# Altium PCB BMS029B.PcbDoc (part 1 of 4) (continued)
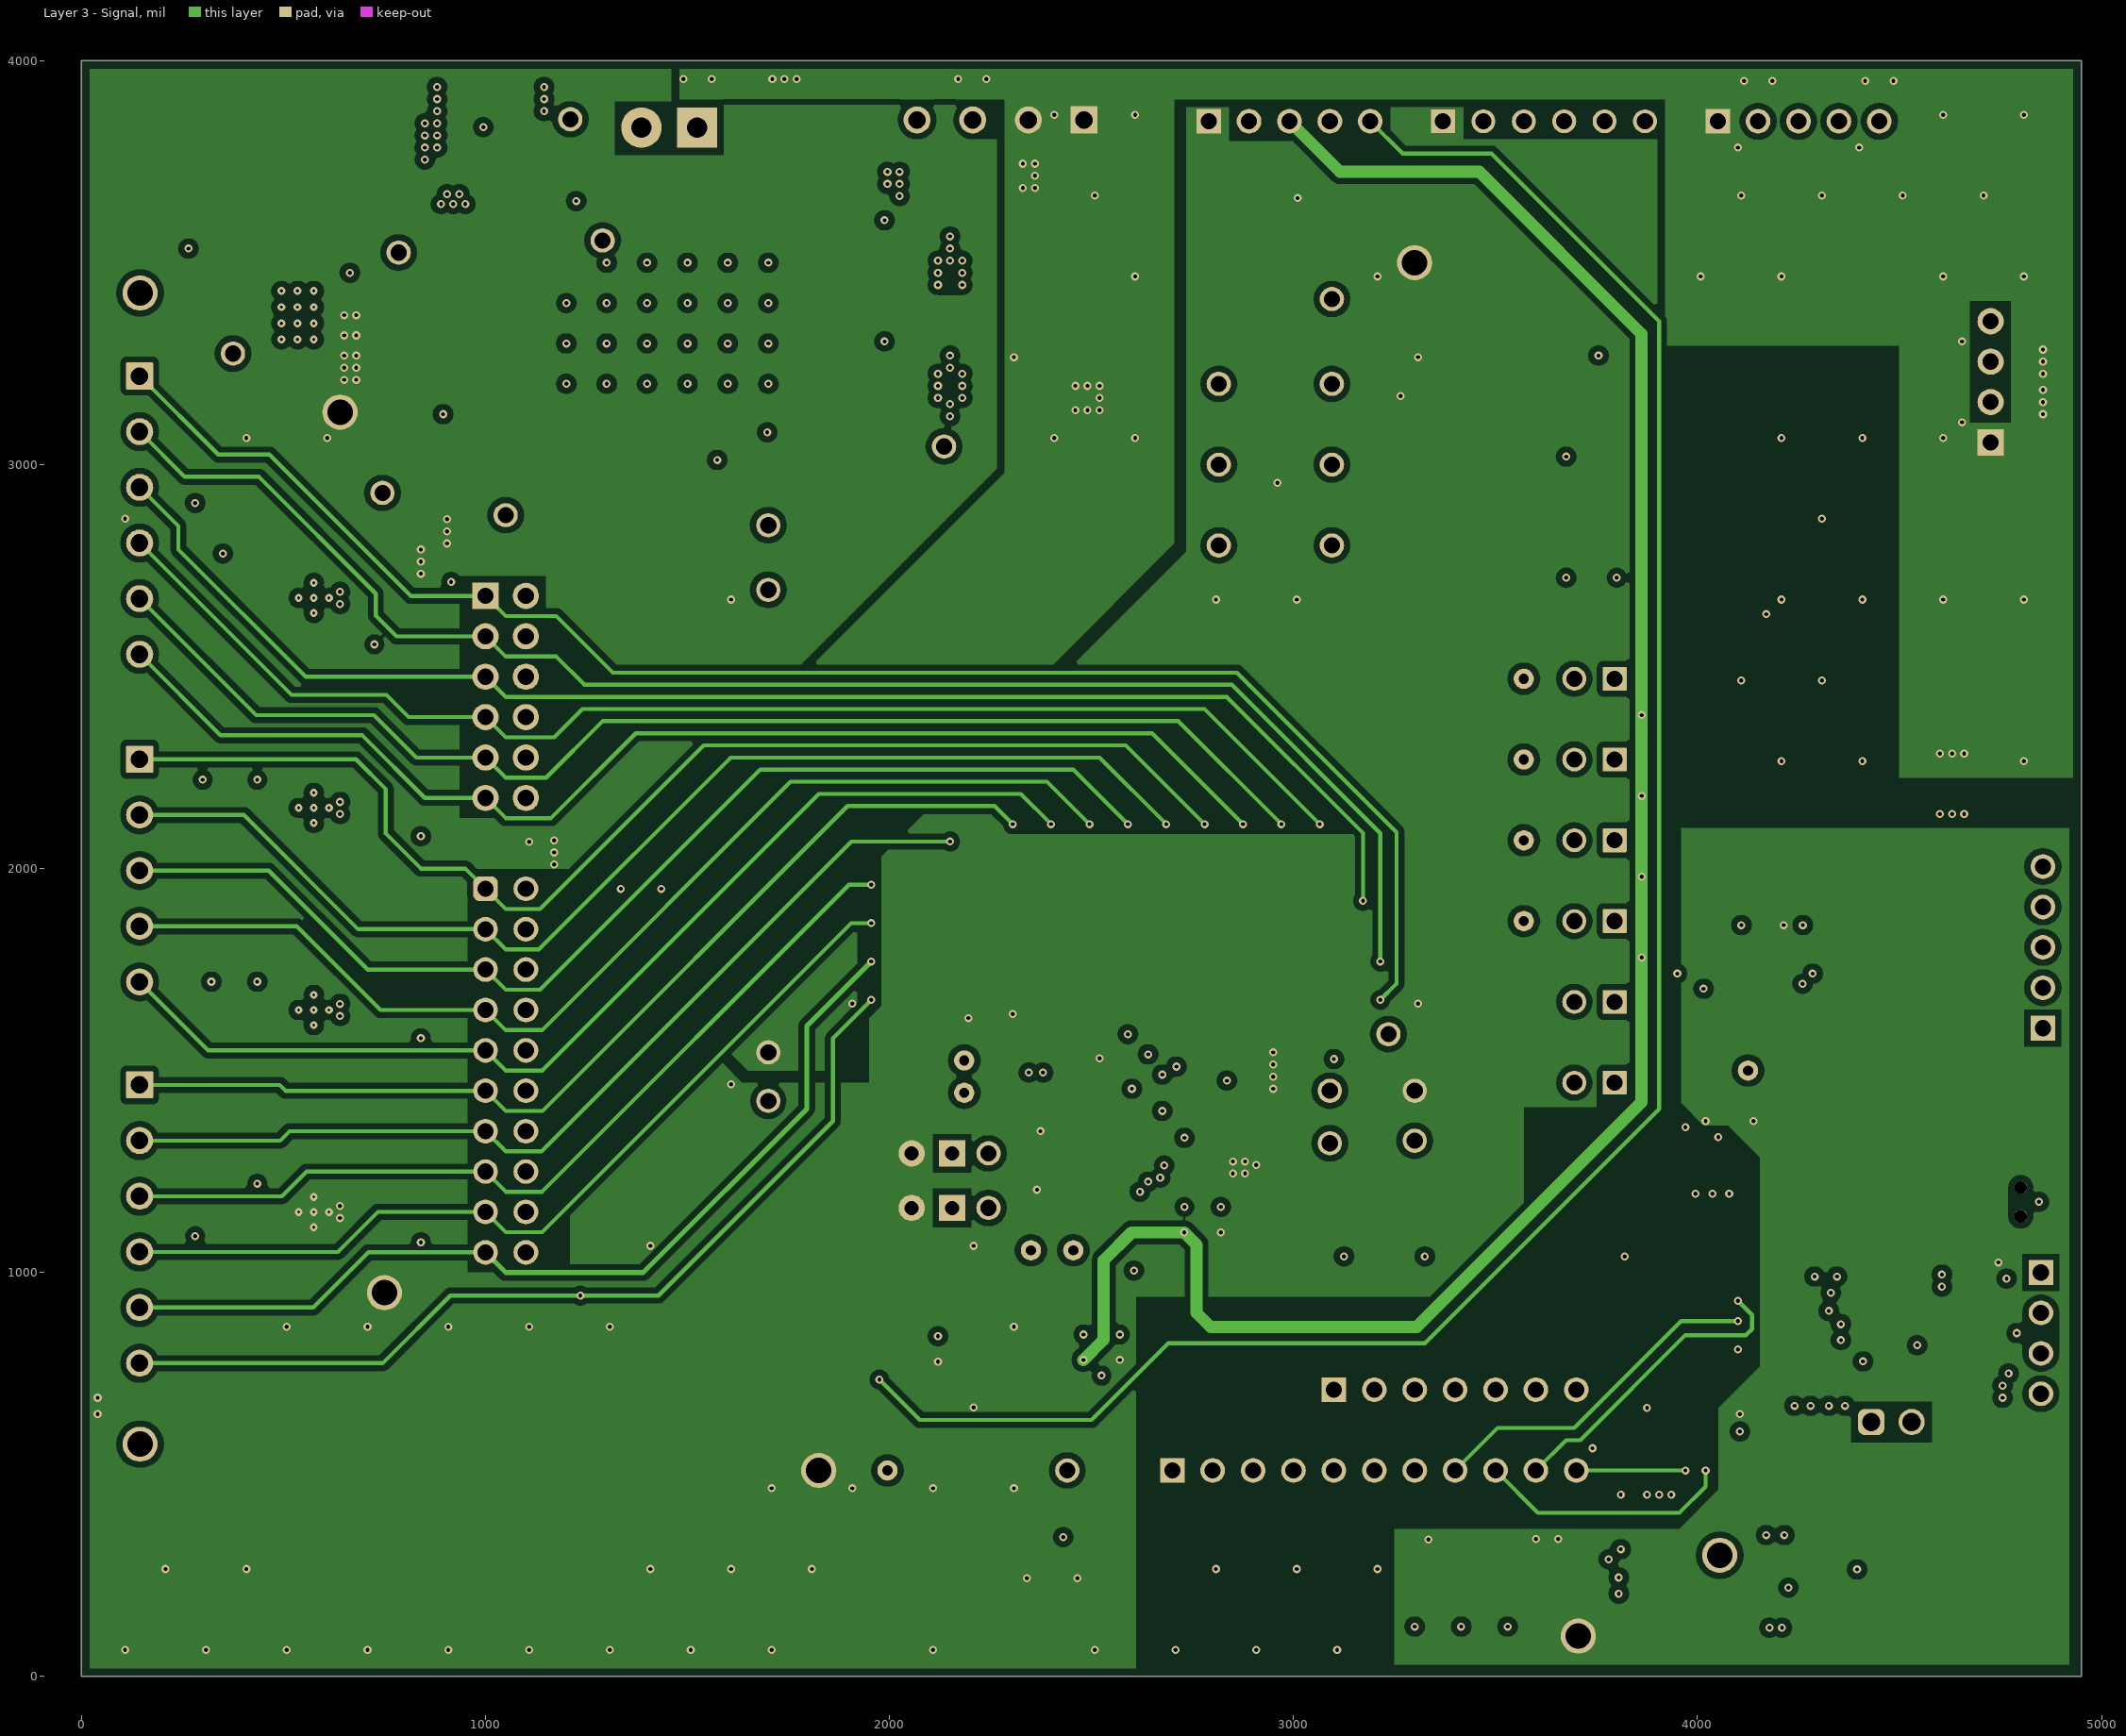
[diagram p3: Layer 3 - Signal]

## Layer stack, top to bottom
Top Solder: solder mask 0.4, Solder Resist, Dk 3.5
Layer 1 - Top Layer: signal copper 2.8
Dielectric 1: prepreg 6, FR-4 High Tg, Dk 4.2
Layer 2 - GND: signal copper 1.4
Dielectric 2: core 41, FR-4 High Tg, Dk 4.2
Layer 3 - Signal: signal copper 1.4
Dielectric 3: prepreg 6, FR-4 High Tg, Dk 4.2
Layer 4 - Bottom Layer: signal copper 2.8
Bottom Solder: solder mask 0.4, Solder Resist, Dk 3.5

## Board outline
0,0 0,4000 4950,4000 4950,0

## Design rules (kind name [scope] priority, off if disabled: settings)
AcuteAngle [All] p1: minimum=4.50000000000000E+0001 checktracksonly=FALSE
AssemblyTestPointUsage [All] p1: valid=2
BoardOutlineClearance BoardOutlineClearance_MountingHoles [OnCopper and InComponentClass('Mounting Holes')] p1: gap=39.37 ignorepadtopadclearanceinfootprint=FALSE
BoardOutlineClearance BoardOutlineClearance_Poly [OnCopper and IsPoly] p2: gap=20 ignorepadtopadclearanceinfootprint=FALSE
BoardOutlineClearance [OnCopper and Not InComponentClass('Logo') and not InComponentClass('FiducialMark') and not InRegion(1000,500,4000,800) and not InPoly] p3: gap=18 ignorepadtopadclearanceinfootprint=FALSE
Clearance Clearance_Keepouts [((IsTrack Or IsArc) And Not InPoly) And IsFree and IsKeepOut vs ((IsTrack Or IsArc) And Not InPoly) And IsFree and IsKeepOut] p1: gap=0 ignorepadtopadclearanceinfootprint=FALSE
Clearance Clearance_Poly [InPolygon] p2: gap=15 ignorepadtopadclearanceinfootprint=FALSE except(0: Arc-Hole Track-Hole SMDPad-Hole THPad-Hole Via-Hole Fill-Hole Poly-Hole Region-Hole Text-Hole)
Clearance Clearance_FiducialMark [IsKeepOut and InComponentClass('FiducialMark') vs IsPad and InComponentClass('FiducialMark')] p3: gap=0 ignorepadtopadclearanceinfootprint=FALSE
Clearance [All] p4: gap=7.87 ignorepadtopadclearanceinfootprint=FALSE except(0: Arc-Hole Track-Hole SMDPad-Hole THPad-Hole Via-Hole Fill-Hole Poly-Hole Region-Hole Text-Hole)
ComponentClearance "ComponentClearance_TP / Logo" [HasFootprint('IEC_HotSurface_Medium')] p1: gap=0 collisioncheckmode=3 verticalgap=0 showdistances=FALSE // IEC_HotSurface_Medium
ComponentClearance ComponentClearance_Net-tie [HasFootprint('Net-Tie_10mil') or HasFootprint('Net-Tie_50milWide_30milLong')] p2: gap=0 collisioncheckmode=3 verticalgap=0 showdistances=FALSE
ComponentClearance ComponentClearance_MountingHoles_FiducialMarks [InComponentClass('Mounting Holes') vs InComponentClass('FiducialMark')] p3: gap=10 collisioncheckmode=3 verticalgap=10 showdistances=FALSE
ComponentClearance ComponentClearance_Shunt [HasFootprint('SNT-100-BK-G')] p4: gap=0 collisioncheckmode=3 verticalgap=0 showdistances=TRUE
ComponentClearance ComponentClearance_Logo [InComponentClass('Logo')] p5: gap=0 collisioncheckmode=3 verticalgap=0 showdistances=FALSE
ComponentClearance ComponentClearance_ScrewToNut [(HasFootprint('NY PMS 440 0025 PH')) vs (HasFootprint('Keystone_1902C'))] p6: gap=5 collisioncheckmode=3 verticalgap=10 showdistances=FALSE
ComponentClearance ComponentClearance_MountingHoles [InComponentClass('Mounting Holes')] p7: gap=250 collisioncheckmode=3 verticalgap=100000 showdistances=FALSE
ComponentClearance ComponentClearance_SmallPassives [HasFootprint('0201*') or HasFootprint('0402*') or HasFootprint('0508') or HasFootprint('0603*') or HasFootprint('0612') or HasFootprint('0805*') or HasFootprint('0815*') or HasFootprint('0830*') or HasFootprint('1206*') or HasFootprint('1210*') or HasFootprint('1808*') or HasFootprint('1812*') or HasFootprint('1825*') or HasFootprint('2010*') or HasFootprint('2220*') or HasFootprint('2225*') or HasFootprint('2512*') or HasFootprint('2728*') or HasFootprint('3518*') vs HasFootprint('0201*') or HasFootprint('0402*') or HasFootprint('0508') or HasFootprint('0603*') or HasFootprint('0612') or HasFootprint('0805*') or HasFootprint('0815*') or HasFootprint('0830*') or HasFootprint('1206*') or HasFootprint('1210*') or HasFootprint('1808*') or HasFootprint('1812*') or HasFootprint('1825*') or HasFootprint('2010*') or HasFootprint('2220*') or HasFootprint('2225*') or HasFootprint('2512*') or HasFootprint('2728*') or HasFootprint('3518*')] p8: gap=10 collisioncheckmode=3 verticalgap=10 showdistances=FALSE
ComponentClearance ComponentClearance_THtoSMT [IsThruComponent vs IsSMTComponent] p9: gap=10 collisioncheckmode=3 verticalgap=30 showdistances=FALSE
ComponentClearance ComponentClearance_THtoTH [IsThruComponent vs IsThruComponent] p10: gap=10 collisioncheckmode=3 verticalgap=30 showdistances=FALSE
ComponentClearance [All] p11: gap=10 collisioncheckmode=3 verticalgap=10 showdistances=FALSE
DiffPairsRouting [All] p1: maxlimit=100 minlimit=10 mostfreqgap=10 toplayer_minwidth=15 toplayer_maxwidth=15 toplayer_prefwidth=15 midlayer1_minwidth=15 midlayer1_maxwidth=15 midlayer1_prefwidth=15 midlayer2_minwidth=15 midlayer2_maxwidth=15 midlayer2_prefwidth=15 bottomlayer_minwidth=15 bottomlayer_maxwidth=15 bottomlayer_prefwidth=15 maxuncoupledlength=1000
FabricationTestPointUsage TestPointUsage [All] p1: valid=2 allowmultiple=FALSE
FabricationTestpoint Testpoint [All] p1: side=3 testpointundercomponent=TRUE minsize=40 maxsize=100 preferedsize=60 minholesize=0 maxholesize=40 preferedholesize=32 testpointgrid=1 allowsidetop=TRUE allowsidebottom=TRUE usegrid=TRUE gridtolerance=0.01
FanoutControl Fanout_LCC [IsLCC] p1: bgadir=Out bgaviamode=Centered fanoutstyle=Auto fanoutdirection=Alternating viagrid=1 // Fanout_LCC (Default Rule)
FanoutControl Fanout_BGA [IsBGA] p2: bgadir=Out bgaviamode=Centered fanoutstyle=Auto fanoutdirection=Alternating viagrid=1 // Fanout_BGA (Default Rule)
FanoutControl Fanout_Default [All] p4: bgadir=Out bgaviamode=Centered fanoutstyle=Auto fanoutdirection=Alternating viagrid=1 // Fanout_Default (Default Rule)
FanoutControl Fanout_Small [(CompPinCount < 5)] p5: bgadir=Out bgaviamode=Centered fanoutstyle=Auto fanoutdirection=OutThenIn viagrid=1 // Fanout_Small (Default Rule)
HoleSize [All] p1: absolutevalues=TRUE maxlimit=251 minlimit=7.87 maxpercent=80.000 minpercent=20.000
MinimumAnnularRing MinimumAnnularRing_ThermalPadVias [IsVia and InAnyComponent] p1: minimumring=5.91
MinimumAnnularRing [All] p2: minimumring=5
MinimumSolderMaskSliver MinimumSolderMaskSliver_Logo [InComponentClass('Logo') vs InComponentClass('Logo')] p1: minsoldermaskwidth=0.7
MinimumSolderMaskSliver [All] p2: minsoldermaskwidth=3.9
PlaneConnect [All] p1: planeconnectstyle=Relief reliefexpansion=10 reliefentries=4 reliefconductorwidth=10 reliefairgap=10
PolygonConnect [All] p1: connectstyle=Direct reliefconductorwidth=10 reliefentries=4 polygonreliefangle="90 Angle" airgapwidth=10
RoutingVias ThermalPadVias [IsVia and InAnyComponent] p1: holewidth=7.87 width=19.68 viastyle="Through Hole" minholewidth=7.87 minwidth=19.68 maxholewidth=12.99 maxwidth=23.62
RoutingVias [All] p2: holewidth=16 width=34 viastyle="Through Hole" minholewidth=7.87 minwidth=20 maxholewidth=40 maxwidth=65
SilkToBoardRegionClearance [Not ((IsComment or IsDesignator) And (Hide <> 'False')) and not InRegion(1000,500,4000,800)] p1:
SilkToSilkClearance SilkToSilkClearance_Pb-FreeLogo [(HasFootprint('Pb-Free_Overlay_Medium') OR HasFootprint('Pb-Free_Overlay_Small')) vs (HasFootprint('Pb-Free_Overlay_Medium') OR HasFootprint('Pb-Free_Overlay_Small'))] p1: silktosilkclearance=0
SilkToSilkClearance [All] p2: silktosilkclearance=3.9
SilkToSolderMaskClearance SilkToComponentPadClearance [(IsPad or IsFill or IsRegion) and InAnycomponent] p1: minsilkscreentomaskgap=5 clearancetoexposedcopper=TRUE
SilkToSolderMaskClearance "Silk to Solder Mask Opening" [All] p2: minsilkscreentomaskgap=3.94 clearancetoexposedcopper=FALSE
SolderMaskExpansion [All] p1: expansion=1.97
Width [All] p1: maxlimit=100 minlimit=6 preferedwidth=10 checkconnectedcopper=TRUE
15 further rules are at their usual default settings.

## Classes and differential pairs
component class Shunt: SH-J1 SH-J2 SH-J3 SH-J4 SH-J5 SH-J6 SH-J7 SH-J8 SH-J9 SH-J10 SH-J11 SH-J12 SH-J13 SH-J14 SH-J15 SH-J16 SH-J17 SH-J18 SH-J19 SH-J20 SH-J21
component class Header: J2 J5 J6 J7 J10 J11 J12 J13 J14 J15 J16 J18 J19 J20 J21 J22 J23 J24 J25 J27 J28 J29
component class BMS029B_PinConfig: E3 E4 E5 E6 J10 J11 J12 J13 J14 J15 J16 J17 J18 J19 J20 J21 J22 J23 R87 R88 R89 R90 R91 R92 R93 R94 R95 R96 R97 R98 R99 R100 R101 R102 R103 R104 R105 R106 R107 R108 TP37 TP38 TP39 TP40 TP41 U6 U7 U8 U9
component class BMS029B_Monitor: C1 C2 C3 C4 C5 C6 C7 C8 C9 C10 C11 C12 C13 C14 C15 C16 C17 C18 C19 C20 C21 C22 C23 C24 C25 C26 C27 C28 C71 D1 D2 J1 J2 J3 J4 J5 J6 J7 NT1 Q1 R1 R2 R3 R4 R5 R6 R7 R8 R9 R10 R11 R12 R13 R14 R15 R16 R17 R18 R19 R20 R21 R22 R23 R24 R25 R26 R27 R28 R29 R30 RT1 RT2 S1 S2 TP1 TP2 TP3 TP4 TP5 TP6 TP7 TP8 TP9 TP10 TP11 TP12 TP13 TP14 TP15 TP16 TP17 TP18 TP19 U1
component class BMS029B_Interface: C58 C59 C60 C61 C62 C63 C64 C65 C66 C67 C68 C69 C70 D14 D15 D16 J24 J25 J26 J27 J28 J29 NT3 NT4 NT5 R109 R110 R111 R112 R113 R114 R115 R116 R117 R118 R119 R120 R121 R122 R123 S3 TP42 TP43 TP44 TP45 U10 U11 U12 U13 U14 U15 U16 Y1
component class BMS029B_FETs: C29 C30 C31 C32 C33 C34 C35 C36 C37 C38 C39 C40 C41 C42 C43 C44 C45 C46 C47 C48 C49 C50 C51 C52 C53 C54 C55 C56 C57 D3 D4 D5 D6 D7 D8 D9 D10 D11 D12 D13 E1 E2 F1 J8 J9 NT2 Q2 Q3 Q4 Q5 Q6 Q7 Q8 Q9 Q10 Q11 Q12 Q13 R31 R32 R33 R34 R35 R36 R37 R38 R39 R40 R41 R42 R43 R44 R45 R46 R47 R48 R49 R50 R51 R52 R53 R54 R55 R56 R57 R58 R59 R60 R61 R62 R63 R64 R65 R66 R67 R68 R69 R70 R71 R72 R73 R74 R75 R76 R77 R78 R79 R80 R81 R82 R83 R84 R85 R86 TP20 TP21 TP22 TP23 TP24 TP25 TP26 TP27 TP28 TP29 TP30 TP31 TP32 TP33 TP34 TP35 TP36 U2 U3 U4 U5
component class BMS029B_Hardware: FID1 FID2 FID3 FID4 FID5 FID6 H1 H2 H3 H4 LOGO4 LOGO5 Logo8 Logo9 Logo10 SH-J1 SH-J2 SH-J3 SH-J4 SH-J5 SH-J6 SH-J7 SH-J8 SH-J9 SH-J10 SH-J11 SH-J12 SH-J13 SH-J14 SH-J15 SH-J16 SH-J17 SH-J18 SH-J19 SH-J20 SH-J21 ZZ1 ZZ2 ZZ3
component class FiducialMark: FID1 FID2 FID3 FID4 FID5 FID6
component class AssemblyNote: ZZ1 ZZ2 ZZ3

## Components (designator, comment, footprint, x,y, rotation, side; value= is the part's Value field where it differs from the comment)
C1 "C3216X7R2A105K160AA" 1206_180 2995,1530 r270 top value=1uF
C2 "GCM1885C2A101JA16D" 0603 2920,1565 r270 top value=100pF
C3 "GCM219R71E474KA55D" 0805_HV 2850,1580 r270 top value=0.47uF
C4 "C1608X7R1H224K080AB" 0603S 2820,1705 r90 top value=0.22uF
C5 "C1608X7R1H224K080AB" 0603S 2870,1755 r90 top value=0.22uF
C6 "C1608X7R1H224K080AB" 0603S 2820,1805 r90 top value=0.22uF
C7 "C1608X7R1H224K080AB" 0603S 2750,1835 r180 top value=0.22uF
C8 "C1608X7R1H224K080AB" 0603S 2700,1785 r180 top value=0.22uF
C9 "C1608X7R1H224K080AB" 0603S 2650,1835 r180 top value=0.22uF
C10 "C1608X7R1H224K080AB" 0603S 2600,1785 r180 top value=0.22uF
C11 "C1608X7R1H224K080AB" 0603S 2550,1835 r180 top value=0.22uF
C12 "EMK212B7105KG-T" 0805_HV 2770,1250 r180 top value=1uF
C13 "C0603C223K4RACTU" 0603 2795,1325 r180 top value=0.022uF
C14 "C1608X7R1H224K080AB" 0603S 2500,1785 r180 top value=0.22uF
C15 "EMK212B7105KG-T" 0805_HV 2765,1250 r180 bottom value=1uF
C16 "C1608X7R1H224K080AB" 0603S 2450,1835 r180 top value=0.22uF
C17 "C1608X7R1H224K080AB" 0603S 2400,1785 r180 top value=0.22uF
C18 "C1608X7R1H224K080AB" 0603S 2350,1835 r180 top value=0.22uF
C19 "C1608X7R1H224K080AB" 0603S 2300,1785 r180 top value=0.22uF
C20 "885012206040" 0603 2430,275 r270 bottom value=0.01uF
C21 "C1608X7R1H224K080AB" 0603S 2225,1760 r270 top value=0.22uF
C22 "C1608X7R1H224K080AB" 0603S 2275,1710 r270 top value=0.22uF
C23 "C1608X7R1H224K080AB" 0603S 2275,1610 r90 top value=0.22uF
C24 "C1608X7R1H224K080AB" 0603S 2225,1660 r270 top value=0.22uF
C25 "EMK212B7225KG-T" 0805_HV 2405,1250 r0 top value=2.2uF
C26 "885012206040" 0603 2405,1320 r180 top value=0.01uF
C27 "C0603C101J5GACTU" 0603 2305,1485 r270 bottom value=100pF
C28 "885012206095" 0603 2250,1485 r90 bottom value=0.1uF
C29 "GCJ188R72A104KA01D" 0603 955,3905 r180 bottom value=0.1uF
C30 "GCJ188R72A104KA01D" 0603 1075,3905 r180 bottom value=0.1uF
C31 "885012206095" 0603 550,2540 r0 bottom value=0.1uF
C32 "885012206095" 0603 680,2635 r270 bottom value=0.1uF
C33 "885012206095" 0603 475,2630 r270 bottom value=0.1uF
C34 "GCJ188R72A104KA01D" 0603 1650,3834.5 r0 bottom value=0.1uF
C35 "885012206095" 0603 475,2770 r270 bottom value=0.1uF
C36 "GCJ188R72A104KA01D" 0603 1740,3870 r90 bottom value=0.1uF
C37 "GCJ188R72A104KA01D" 0603 1835,3660 r180 bottom value=0.1uF
C38 "GCJ188R72A104KA01D" 0603 1955,3660 r180 bottom value=0.1uF
C39 "885012206095" 0603 575,2800 r180 bottom value=0.1uF
C40 "885012206095" 0603 550,2020 r0 bottom value=0.1uF
C41 "885012206095" 0603 680,2115 r270 bottom value=0.1uF
C42 "GCJ188R72A104KA01D" 0603 2205,3750 r270 bottom value=0.1uF
C43 "885012206095" 0603 475,2110 r270 bottom value=0.1uF
C44 "885012206095" 0603 475,2250 r270 bottom value=0.1uF
C45 "GCJ188R72A104KA01D" 0603 2295,3715 r0 bottom value=0.1uF
C46 "885012206095" 0603 575,2280 r180 bottom value=0.1uF
C47 "885012206095" 0603 760,2765 r180 top value=0.1uF
C48 "885012206095" 0603 550,1520 r0 bottom value=0.1uF
C49 "885012206095" 0603 680,1615 r270 bottom value=0.1uF
C50 "885012206095" 0603 475,1610 r270 bottom value=0.1uF
C51 "885012206095" 0603 475,1750 r270 bottom value=0.1uF
C52 "885012206095" 0603 575,1780 r180 bottom value=0.1uF
C53 "885012206095" 0603 550,1020 r0 bottom value=0.1uF
C54 "885012206095" 0603 680,1115 r270 bottom value=0.1uF
C55 "885012206095" 0603 475,1110 r270 bottom value=0.1uF
C56 "885012206095" 0603 475,1250 r270 bottom value=0.1uF
C57 "885012206095" 0603 575,1280 r180 bottom value=0.1uF
C58 "885012205037" 0402 4085,1831 r180 top value=0.1uF
C59 "885012205037" 0402 4237,1831 r180 top value=0.1uF
C60 "885012205037" 0402 4520,850 r0 top value=0.1uF
C61 "Capacitor" 0402 3950,1335 r0 top value=0.47uF
C62 "885012205037" 0402 3865,365 r90 top value=0.1uF
C63 "CL21A106KOQNNNG" 0805_HV 3930,365 r90 top value=10uF
C64 "CL21A106KOQNNNG" 0805_HV 3725,225 r0 top value=10uF
C65 "885012205037" 0402 3725,290 r0 top value=0.1uF
C66 "885012205037" 0402 4290,930 r90 bottom value=0.1uF
C67 "Capacitor" 0402 4370,970 r90 bottom value=0.47uF
C68 "885012205037" 0402 4140,630 r270 top value=0.1uF
C69 "Capacitor" 0402 4115,1335 r180 top value=0.47uF
C70 "885012205008" 0402 4765,925 r90 top value=2200pF
C71 "C3216X7R2A105K160AA" 1206_180 1220,2075 r270 top value=1uF
D1 "BAT46W-7-F" SOD-123 3145,1595 r90 bottom value=100V
D2 "BAT46W-7-F" SOD-123 1435,3110 r0 top value=100V
D3 "150060RS75000" WL-SMCW_RED 325,3595 r90 top value=Red
D4 "MMSZ5246B-7-F" SOD-123 885,3830 r180 bottom value=16V
D5 "MMSZ5246B-7-F" SOD-123 2215,3470 r180 bottom value=16V
D6 "MMSZ5246B-7-F" SOD-123 2215,3195 r180 bottom value=16V
D7 "1N4148W-7-F" SOD-123 2480,3230 r270 bottom value=100V
D8 "MMSZ4697T1G" SOD-123 805,2835 r0 top value=10V
D9 "BAT46W-7-F" SOD-123 3100,3110 r180 bottom value=100V
D10 "BAT46W-7-F" SOD-123 3265,3075 r90 bottom value=100V
D11 "BAT46W-7-F" SOD-123 3010,3565 r90 bottom value=100V
D12 "BAT46W-7-F" SOD-123 2960,2990 r270 bottom value=100V
D13 "BAS40W-7-F" SOT-323 725,1315 r90 bottom value=40V
D14 "150060VS75000" WL-SMCW_GREEN 3340,155 r90 top value=Green
D15 "150060VS75000" WL-SMCW_GREEN 3455,155 r90 top value=Green
D16 "150060VS75000" WL-SMCW_GREEN 3570,155 r90 top value=Green
E1 "Spark Gap" SPARK_GAP2 1525,3932 r0 bottom
E2 "Spark Gap" SPARK_GAP2 2205,3935 r0 bottom
E3 "Spark Gap" SPARK_GAP2 4150,3930 r0 bottom
E4 "Spark Gap" SPARK_GAP2 4810,3155 r270 bottom
E5 "Spark Gap" SPARK_GAP2 4450,3930 r0 bottom
E6 "Spark Gap" SPARK_GAP2 4810,3255 r270 bottom
F1 "SFK-3030" FUSE_SFK-xx30x 495,3725 r90 top
FID1 "Fiducial" Fiducial10-20 4700,3454.34 r0 top
FID2 "Fiducial" Fiducial10-20 550,250 r0 top
FID3 "Fiducial" Fiducial10-20 4700,550 r0 top
FID4 "Fiducial" Fiducial10-20 550,250 r180 bottom
FID5 "Fiducial" Fiducial10-20 4700,3454.34 r180 bottom
FID6 "Fiducial" Fiducial10-20 4700,550 r180 bottom
H1 "SJ-5303 (CLEAR)" Bumpon_SJ5003Transparent 250,3750 r180 bottom
H2 "SJ-5303 (CLEAR)" Bumpon_SJ5003Transparent 4700,3750 r180 bottom
H3 "SJ-5303 (CLEAR)" Bumpon_SJ5003Transparent 250,250 r180 bottom
H4 "SJ-5303 (CLEAR)" Bumpon_SJ5003Transparent 4700,250 r180 bottom
J1 "OSTTE060161" FP-OSTTE060161_HDR6-MFG 140,2875 r270 top
J2 "PEC05SAAN" Sullins_PxC05SAAN 2990,3850 r0 top
J3 "OSTTE050161" FP-OSTTE050161_HDR5-MFG 140,1995 r270 top
J4 "OSTTE060161" FP-OSTTE060161_HDR6-MFG 140,1120 r270 top
J5 "PEC06SAAN" Sullins_PEC06SAAN 3620,3850 r0 top
J6 "87898-0304" Molex_87898-0304 2525,740 r0 top
J7 "87898-0304" Molex_87898-0304 2075,740 r0 top
J8 "ED555/2DS" TERM_BLK_ED555-2DS 1524.01,3834.5 r180 top
J9 "OSTTE040161" FP-OSTTE040161_HDR4-MFG 2275.01,3857.5 r180 top
J10 "PEC02SAAN" CONN_PEC02SAAN 3745,2470 r180 top
J11 "87898-0304" Molex_87898-0304 2775,1060 r0 top
J12 "PEC02SAAN" CONN_PEC02SAAN 3745,2270 r180 top
J13 "87898-0304" Molex_87898-0304 3225,1060 r0 top
J14 "PEC06DAAN" CONN_PEC06DAAN 1050,2425 r270 top
J15 "PEC02SAAN" CONN_PEC02SAAN 3745,2070 r180 top
J16 "87898-0304" Molex_87898-0304 3745,2770 r90 top
J17 "22/05/3041" CONN_22-05-3041 4950,3205 r90 top
J18 "PEC02SAAN" CONN_PEC02SAAN 3745,1870 r180 top
J19 "87898-0304" Molex_87898-0304 3745,3170 r90 top
J20 "PEC02SAAN" CONN_PEC02SAAN 3745,1670 r180 top
J21 "PEC02SAAN" CONN_PEC02SAAN 3745,1470 r180 top
J22 "PEC05SAAN" Sullins_PxC05SAAN 4250,3850 r0 top
J23 "PEC10DAAN" SULLINS_PEC10DAAN 1050,1500 r0 top
J24 "PBC07SAAN" Sullins_xxC07SAAN 3400,710 r0 top
J25 "PBC11SAAN" Sullins_xxC11SAAN 3200,510 r0 top
J26 "CONN_USB_5Pos-6Shld" Molex_47346-1001 4205,0 r0 top
J27 "61300211121" WURTH_61300211121 4480,630 r0 top
J28 "PEC05SAAN" Sullins_PxC05SAAN 4855,1805 r90 top
J29 "22284043" Molex_0022284043 4850,850 r270 top
LOGO4 "DANGER HIGH VOLTAGE" IEC_HighVoltage_Medium 975,3350 r180 bottom
LOGO5 "DANGER HIGH VOLTAGE" IEC_HighVoltage_Medium 2350,3350 r0 top locked
Logo8 "FCC disclaimer" FCC_disclaimer 900,75 r0 top
Logo9 "WEEE logo" WEEE_Minimum 1495.16,414.26 r0 top
Logo10 "CAUTION.  READ USER GUIDE BEFORE USE" IEC_Caution_Medium 2370,2575 r0 top
NT1 "Net-Tie" Net-Tie_10milWide_30milLong 65,670 r0 top net-tie
NT2 "Net-Tie" Net-Tie_50milWide_30milLong 495,3840 r180 top net-tie
NT3 "Net-Tie" Net-Tie_10mil 3450,445 r0 bottom net-tie
NT4 "Net-Tie" Net-Tie_10mil 4195,680 r0 top net-tie
NT5 "Net-Tie" Net-Tie_0805_HV_NoOverlay 4630,2210 r90 top net-tie
Q1 "FCX495TA" SOT-89-3 1366.65,2095 r90 top value="150 V"
Q2 "SI2325DS-T1-E3" SOT-23 1145,3690 r180 top value=-150V
Q3 "BSZ900N15NS3 G" PG-TSDSON-8 1055,3900 r0 top value=150V
Q4 "MMBT5401LT1G" SOT-23 720,2790 r90 bottom value="150 V"
Q5 "SI2325DS-T1-E3" SOT-23 960,2995 r180 top value=-150V
Q6 "SI2325DS-T1-E3" SOT-23 1660,3065 r270 top value=-150V
Q7 "BSC160N15NS5ATMA1" PG-TDSON-8 1876.57,3200 r180 top value=150V
Q8 "BSC160N15NS5ATMA1" PG-TDSON-8 1045,3200 r0 top value=150V
Q9 "BSC160N15NS5ATMA1" PG-TDSON-8 1876.57,3500 r180 top value=150V
Q10 "MOSFET_N_D3G1S2" SOT-323 2215,3365 r90 bottom value=60V
Q11 "MMBT5401LT1G" SOT-23 720,2270 r90 bottom value="150 V"
Q12 "SI7898DP-E3" PowerPAK_SO-8 555,3370 r180 top value=150V
Q13 "MMBT5401LT1G" SOT-23 720,1770 r90 bottom value="150 V"
R1 "Resistor" 0603 3065,1560 r270 top value=100
R2 "CRCW120620R0FKEA" 1206 3115,1675 r180 top value=20.0
R3 "CRCW120620R0FKEA" 1206 3115,1770 r180 top value=20.0
R4 "CRCW120620R0FKEA" 1206 3115,1865 r180 top value=20.0
R5 "CRCW2512220RJNEG" 2512 1465,2900 r90 top value=220
R6 "CRCW2512220RJNEG" 2512 1300,2900 r90 top value=220
R7 "CRCW120620R0FKEA" 1206 3065,2010 r270 top value=20.0
R8 "CRCW120620R0FKEA" 1206 2970,2010 r270 top value=20.0
R9 "CRCW2512220RJNEG" 2512 1465,2475 r90 top value=220
R10 "CRCW2512220RJNEG" 2512 1300,2475 r90 top value=220
R11 "CRCW120620R0FKEA" 1206 2875,2010 r270 top value=20.0
R12 "CRCW120620R0FKEA" 1206 2780,2010 r270 top value=20.0